# KiCad board misrc_v2.5-rounded.kicad_pcb (continued)
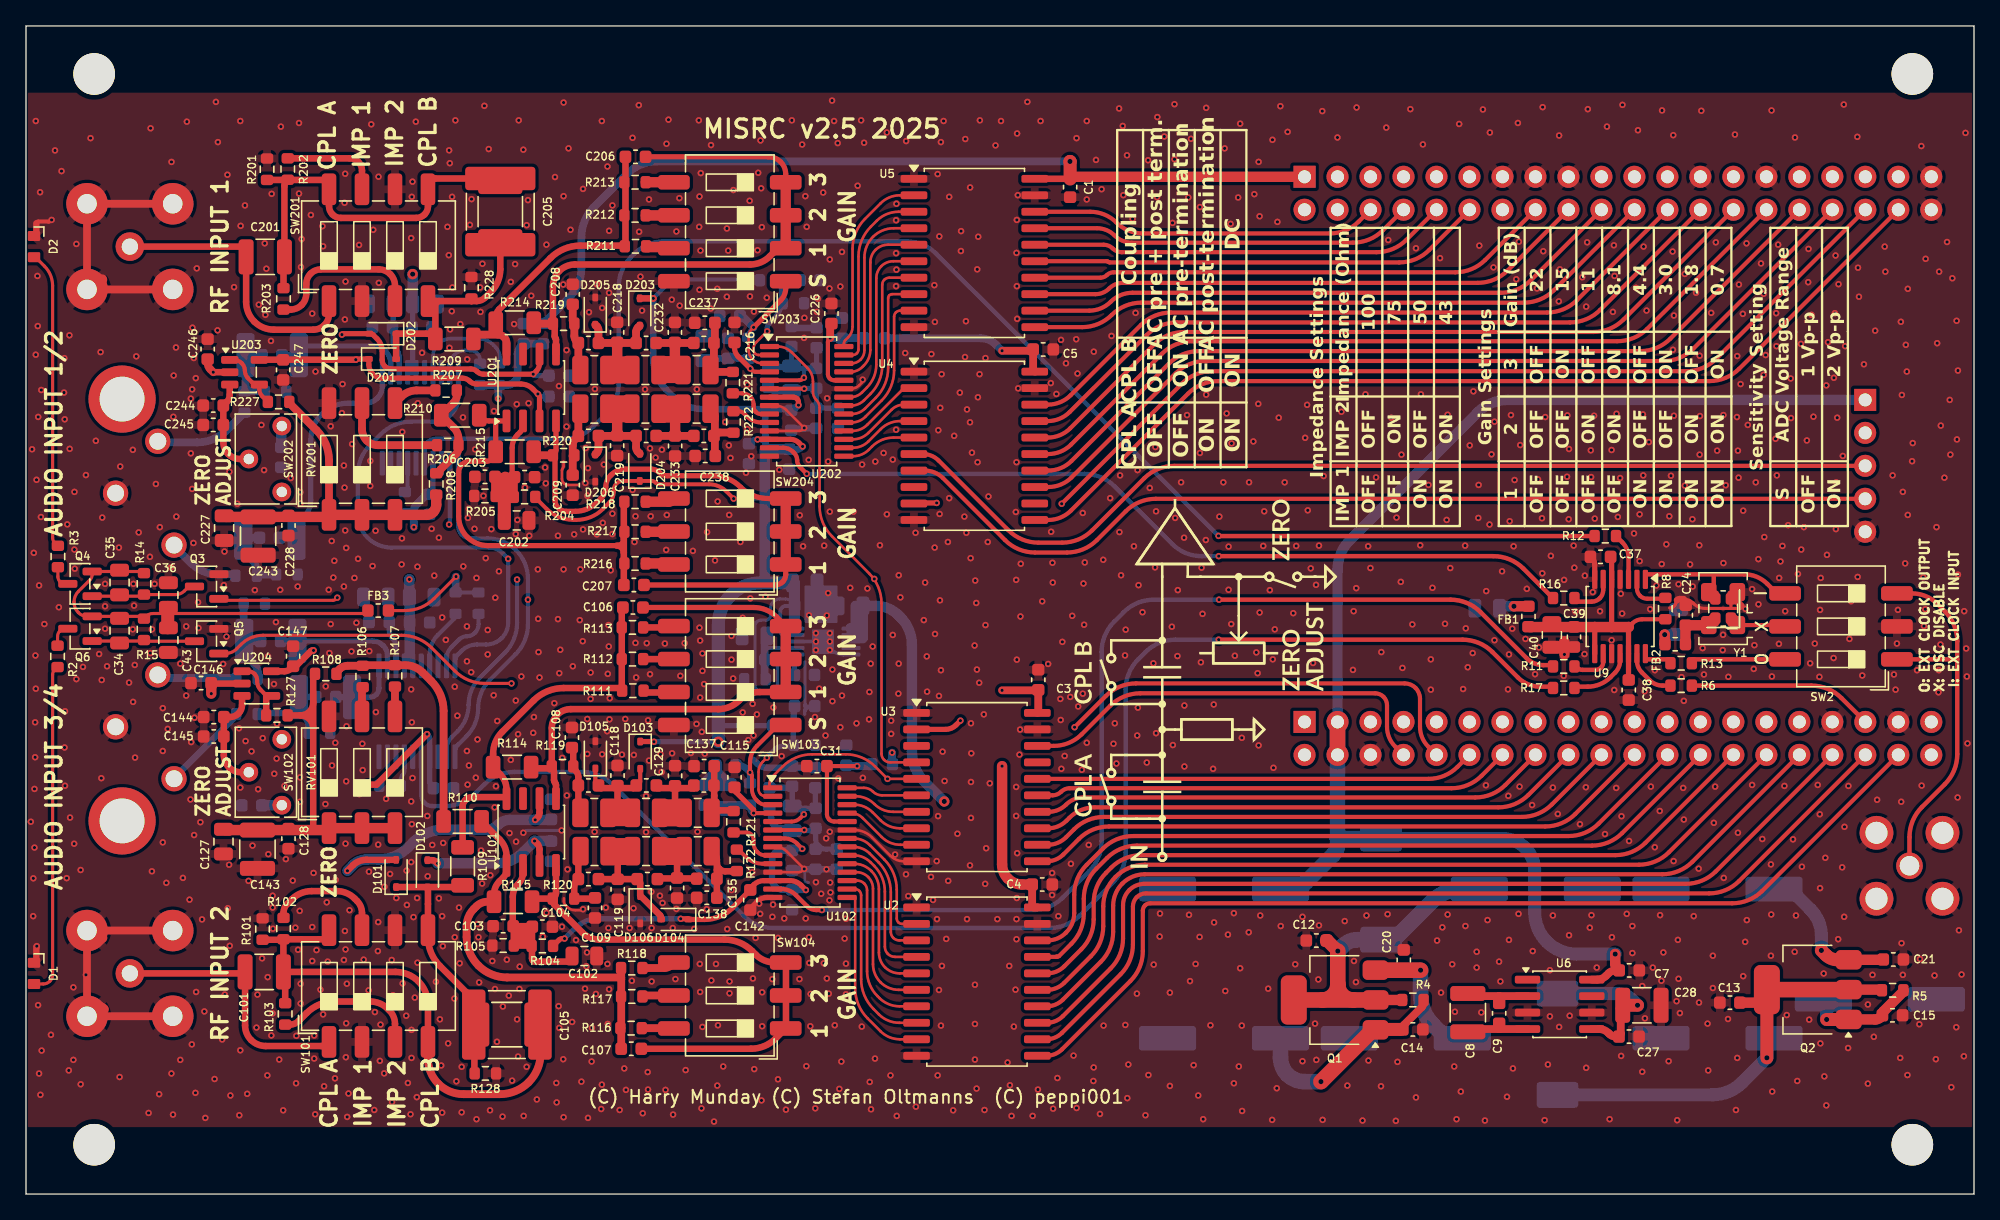
[diagram p0: board, top side]
## Routing (per net, layer and track width the routed paths; a pad name or vN(x,y) marks a point on that pad's centre or on a via; arc(x,y) is an arc through that point) (continued)
Net-(Q6-D): length 1.9
  Top w0.24: R2.1 2.43,42.95 arc(2.48,43.19) 2.61,43.38 2.63,43.41 arc(2.8,43.52) 3,43.56 2.74,43.56
Net-(R102-Pad1): length 8.7
  Top w0.5: 25.87,21.11 25.87,21.66 arc(25.77,22.16) 25.49,22.59 25.3,22.77 arc(24.67,23.19) 23.93,23.34 22,23.34 arc(21.17,23.18) 20.47,22.71 20.11,22.35 arc(19.9,22.04) 19.83,21.68 R102.1
Net-(R103-Pad1): length 10.6
  Top w0.5: R103.1 20.34,13.06 arc(20.69,13.13) 20.99,13.32 21.61,13.94 arc(22.59,14.6) 23.76,14.83 26.51,14.83 arc(27.24,14.69) 27.86,14.28 27.98,14.15 arc(28.3,13.67) 28.41,13.11 28.41,12.5
Net-(R106-Pad1): length 19
  Top w0.6: 23.9,40.21 24.15,40.45 arc(24.43,40.64) 24.75,40.7 25.9,40.7 arc(25.92,40.71) 25.95,40.72 arc(25.97,40.74) 26,40.75 R107.1 29.2,40.75 arc(29.93,40.6) 30.54,40.19 31.2,39.53 arc(31.91,38.47) 32.16,37.22 R110.1
Net-(R106-Pad2): length 2.3
  Top w0.6: R106.2 25.9,39.03 arc(25.88,39) 25.87,38.96 SW102.5
Net-(R107-Pad2): length 2.3
  Top w0.6: R107.2 28.41,36.81 SW102.4
Net-(R111-Pad2): length 2.4
  Top w0.5: SW103.7 49.87,38.66 arc(49.85,38.65) 49.83,38.64 47.53,38.64
Net-(R112-Pad2): length 2.4
  Top w0.5: R112.2 49.88,41.22 arc(49.88,41.22) 49.89,41.22 SW103.6
Net-(R113-Pad2): length 2.4
  Top w0.5: SW103.5 49.84,43.71 arc(49.78,43.67) 49.72,43.66 R113.2
Net-(R116-Pad2): length 2.5
  Top w0.6: R116.2 49.85,12.78 arc(49.87,12.78) 49.88,12.77 SW104.6
Net-(R117-Pad2): length 2.4
  Top w0.6: SW104.5 47.6,15.3 arc(47.55,15.29) 47.51,15.26 R117.2
Net-(R118-Pad2): length 2.6
  Top w0.6: SW104.4 49.68,17.63 arc(49.44,17.47) 49.16,17.41 R118.2
Net-(R202-Pad1): length 7.7
  Top w0.5: 25.87,77.41 25.87,78.86 arc(25.8,79.22) 25.6,79.52 arc(25.29,79.73) 24.93,79.8 R202.1
Net-(R203-Pad1): length 12.6
  Top w0.5: 19.83,68.15 20.37,68.15 arc(20.83,68.24) 21.23,68.5 arc(21.49,68.9) 21.58,69.36 21.58,70.12 arc(21.67,70.55) 21.91,70.92 arc(22.28,71.16) 22.71,71.25 27.16,71.25 arc(27.64,71.15) 28.05,70.88 arc(28.32,70.47) 28.41,69.99 SW201.3
Net-(R206-Pad1): length 7.9
  Top w0.6: R207.1 33.17,61.56 arc(33.11,61.23) 32.92,60.95 R210.1 32.95,59.03 arc(33.21,58.65) 33.3,58.19 33.3,57.45 arc(33.26,57.23) 33.13,57.04 31.92,55.82 arc(31.86,55.74) 31.84,55.64 31.84,55.54
Net-(R206-Pad2): length 8.5
  Top w0.6: R206.2 27.11,57.7 arc(26.64,57.79) 26.24,58.06 arc(25.97,58.46) 25.87,58.93 SW202.5
Net-(R207-Pad2): length 3.4
  Top w0.6: 31.53,61.92 30.09,61.92 arc(29.45,61.79) 28.9,61.43 SW202.4
Net-(R211-Pad2): length 2.2
  Top w0.8: 47.73,72.96 49.74,72.96 arc(49.8,72.95) 49.85,72.92 SW203.7
Net-(R212-Pad2): length 2.2
  Top w0.8: R212.2 49.87,75.41 arc(49.88,75.41) 49.89,75.41 49.89,75.42
Net-(R213-Pad2): length 2.2
  Top w0.8: R213.2 49.88,77.96 arc(49.89,77.96) 49.89,77.96 SW203.5
Net-(R216-Pad2): length 2.2
  Top w0.8: SW204.6 49.85,48.55 arc(49.81,48.58) 49.76,48.58 R216.2
Net-(R217-Pad2): length 2.2
  Top w0.8: SW204.5 49.88,51.04 arc(49.87,51.03) 49.85,51.03 R217.2
Net-(R218-Pad2): length 2.2
  Top w0.8: SW204.4 49.77,53.47 arc(49.63,53.38) 49.47,53.34 R218.2
Net-(U6-CAP+): length 5.2
  Top w0.6: 113.43,15.25 111.36,15.25 arc(111.23,15.28) 111.12,15.35 C8.1 ; 113.43,15.25 113.44,15.25 ; 113.43,15.25 arc(113.43,15.25) 113.44,15.25 ; 113.44,15.25 U6.2 ; 113.44,15.25 arc(113.43,15.25) 113.44,15.25 ; C9.1 113.44,15.25 arc(113.44,15.25) 113.44,15.25
Net-(U6-CAP-): length 5.1
  Top w0.6: C9.2 113.44,12.72 arc(113.44,12.71) 113.44,12.71 ; 113.43,12.71 111.38,12.71 arc(111.24,12.68) 111.13,12.61 C8.2 ; 113.43,12.71 113.44,12.71 ; 113.43,12.71 arc(113.43,12.71) 113.44,12.71 ; 113.44,12.71 U6.4 ; 113.44,12.71 arc(113.43,12.71) 113.44,12.71
Net-(U6-VOUT): length 13.4
  Top w0.6: 122.8,14.28 122.8,12.37 arc(122.78,12.28) 122.73,12.2 arc(122.65,12.15) 122.56,12.13 122.39,12.13 arc(122.15,12.18) 121.94,12.32 121.84,12.42 arc(121.52,12.64) 121.14,12.71 U6.5
  Top w0.8: 123.03,14.54 122.99,14.54 arc(122.95,14.54) 122.92,14.52 ; 122.87,13.65 122.87,14.41 arc(122.88,14.46) 122.91,14.5 122.92,14.52 ; 122.92,14.52 122.87,14.47 arc(122.82,14.38) 122.8,14.28
  Top w1: v2(124.09,14.54) 122.99,14.54 arc(122.95,14.54) 122.92,14.52
  Bottom w1: L2.1 122.56,15.44 arc(123.14,15.33) 123.64,14.99 v2(124.09,14.54)
Net-(U7-SET): length 5
  Bottom w0.28: U7.7 57.21,42.07
  Bottom w0.6: 56.88,43 56.88,41.45 ; 56.88,41.07 56.88,39.59
Net-(U9-1G): length 3.4
  Top w0.32: U9.2 124.05,46.65 arc(124.11,46.35) 124.27,46.1 arc(124.53,45.93) 124.83,45.87 125.91,45.87 arc(126.02,45.89) 126.11,45.95 126.18,46.02 arc(126.19,46.03) 126.21,46.03 126.23,46.03
Net-(U9-Y0): length 3.7
  Top w0.338: R12.1 122.91,50.22 arc(123.27,49.68) 123.4,49.06 U9.3
Net-(U9-Y1): length 2.3
  Top w0.338: 126.62,41.2 124.8,41.2 arc(124.76,41.21) 124.73,41.23 arc(124.7,41.26) 124.7,41.31 U9.14
Net-(U9-Y2): length 5
  Top w0.338: 119.23,39.09 120.26,39.09 arc(121.2,39.28) 122.01,39.82 122.36,40.18 arc(122.65,40.6) 122.75,41.1 U9.11
Net-(U9-Y3): length 4.1
  Top w0.338: 126.62,39.17 126.03,39.17 arc(125.48,39.28) 125.02,39.59 124.42,40.19 arc(124.14,40.61) 124.05,41.1 U9.13
Net-(U9-Y4): length 3.5
  Top w0.338: U9.6 121.45,46.54 arc(121.38,46.19) 121.18,45.9 arc(120.89,45.71) 120.55,45.64 119.32,45.64
Net-(U9-Y5): length 3.3
  Top w0.338: 119.23,40.75 119.42,40.57 arc(119.62,40.43) 119.86,40.39 120.86,40.39 arc(121.08,40.43) 121.27,40.56 arc(121.4,40.75) 121.45,40.97 U9.9
Net-(U101-+): length 29.5
  Top w0.5: 45.88,43.66 45.88,45.05 arc(45.89,45.1) 45.92,45.15 C106.1 ; 45.88,43.66 45.88,43.66 ; 45.88,43.66 45.88,43.66 ; 33.62,26.59 33.62,29.84 arc(33.68,30.12) 33.84,30.36 arc(34.08,30.52) 34.36,30.58 36.81,30.58 arc(36.88,30.57) 36.95,30.52 arc(36.98,30.52) 37,30.55 37,31.16 arc(36.87,31.81) 36.51,32.35 R114.1 35.97,33.9 arc(36.15,34.83) 36.68,35.62 39.09,38.03 arc(40.15,38.74) 41.4,38.99 45.88,38.99 45.88,41.23 ; 45.88,41.27 45.88,41.23 ; 45.88,41.27 45.88,41.23 ; 45.88,41.27 45.88,43.66 ; 45.88,41.23 R112.1 ; 45.88,43.66 R113.1
Net-(U101--): length 31.2
  Top w0.5: R110.2 36.48,27.31 arc(36.87,26.73) 37,26.05 37,24.98 arc(36.94,24.66) 36.76,24.4 36.45,24.08 arc(36.15,23.63) 36.04,23.1 36.04,23.02 arc(35.89,22.67) 35.54,22.52
  Top w0.6: 45.83,16.66 45.83,16.56 ; 45.83,16.66 45.83,17.39 arc(45.83,17.4) 45.83,17.41 45.82,17.41 arc(45.82,17.41) 45.82,17.42 ; 45.83,16.66 arc(45.82,16.64) 45.8,16.65 ; 45.83,16.56 45.83,15.22 ; 45.83,16.56 arc(45.82,16.61) 45.8,16.65 ; 45.82,12.8 45.82,12.79 arc(45.81,12.79) 45.79,12.78 R116.1 ; 45.82,12.8 arc(45.83,12.81) 45.83,12.83 ; 45.82,12.8 arc(45.83,12.8) 45.83,12.79 ; 45.83,15.22 45.83,15.22 ; 45.83,15.22 arc(45.83,15.22) 45.83,15.22 ; 45.83,12.83 45.83,12.79 ; 45.83,12.83 45.83,15.22 ; 45.83,12.79 C107.1 ; 45.83,15.22 arc(45.83,15.22) 45.83,15.22 ; R117.1 45.83,15.22 arc(45.83,15.22) 45.83,15.22 ; 35.54,22.52 arc(35.08,22.43) 34.69,22.17 34.48,21.97 arc(34.07,21.35) 33.93,20.63 33.93,19.81 arc(34.17,18.61) 34.84,17.6 arc(35.86,16.92) 37.05,16.69 45.7,16.69 arc(45.75,16.68) 45.8,16.65
Net-(U101-VCM): length 16.3
  Top w0.5: 37.53,20.62 37.5,20.66 ; 37.53,20.62 37.54,20.62 arc(37.56,20.59) 37.57,20.56 R105.2 38.91,19.15 arc(38.93,19.14) 38.95,19.13 ; 37.53,20.62 arc(37.53,20.64) 37.54,20.64 ; 37.5,20.66 arc(37.49,20.67) 37.48,20.7 37.48,22.91 arc(37.59,23.43) 37.88,23.86 37.9,23.88 arc(38.17,24.3) 38.27,24.79 U101.2 ; 37.5,20.66 arc(37.52,20.65) 37.53,20.66 ; 37.54,20.64 38.96,20.64 arc(38.98,20.64) 39,20.66 38.99,20.65 arc(38.97,20.62) 38.96,20.59 38.96,19.14 ; 37.54,20.64 arc(37.53,20.65) 37.53,20.66 ; 38.96,19.1 38.96,18.15 arc(38.98,18.06) 39.04,17.98 arc(39.12,17.93) 39.21,17.91 41.84,17.91 arc(41.98,17.94) 42.1,18.02 42.21,18.13 ; 38.96,19.1 38.96,19.14 ; 38.96,19.1 arc(38.96,19.12) 38.95,19.13 ; 38.96,19.14 arc(38.96,19.13) 38.95,19.13 ; 37.53,20.66 37.61,20.74
  Top w1: 38.3,19.5 38.3,20.3
Net-(U102-DRVDD): length 9.7
  Top w0.32: 62.97,28.7 62.24,28.7 arc(62.02,28.74) 61.84,28.87 arc(61.72,29.05) 61.67,29.27 61.67,32.97 v1(64,32.97)
  Bottom w0.4: v1(64,32.97) 64.03,33
  Bottom w0.6: FB101.2 65.07,33.05 arc(64.99,32.99) 64.9,32.97 v1(64,32.97) 63.26,32.97 arc(63.22,32.98) 63.19,33 C126.1
Net-(U102-IN): length 3.9
  Top w0.3: 57.25,26.1 56.91,26.1 arc(56.6,26.16) 56.33,26.34 56.3,26.37 arc(56.1,26.67) 56.03,27.03 56.03,27.3 arc(55.98,27.52) 55.86,27.7 arc(55.68,27.82) 55.47,27.86 R121.2
Net-(U102-MODE): length 9.4
  Top w0.2: 56.9,33.47 v1(57.05,33.62) 56.73,33.3 arc(56.49,32.95) 56.41,32.53 56.41,31.18 arc(56.45,30.98) 56.56,30.81 arc(56.74,30.69) 56.94,30.65 57.25,30.65
  Bottom w0.4: 59.08,36.08 59.08,34.51 arc(59.07,34.51) 59.07,34.5 arc(59.07,34.5) 59.06,34.5 58.24,34.5 arc(57.95,34.44) 57.7,34.28 v1(57.05,33.62)
  Bottom w0.5: 59.12,36.13 59.12,37.48 arc(59.13,37.53) 59.15,37.56 C140.1
Net-(U102-REFB): length 10.3
  Top w0.3: v1(59.9,29.25) 59.62,28.97 arc(59.32,28.77) 58.96,28.7 57.25,28.7
  Bottom w0.4: 59,31.43 59,30.02 arc(59.02,29.91) 59.09,29.81 arc(59.18,29.75) 59.3,29.72 59.63,29.72 ; 59.84,29.52 59.84,29.36 arc(59.84,29.32) 59.87,29.28 v1(59.9,29.25) ; 59.84,29.52 arc(59.78,29.66) 59.63,29.72 ; 59.84,29.52 arc(59.9,29.66) 60.04,29.72 ; C114.2 60.78,29.77 arc(60.78,29.75) 60.79,29.74 arc(60.79,29.73) 60.78,29.72 60.04,29.72 ; 60.04,29.72 59.63,29.72
  Bottom w0.5: 57.38,31.3 59,31.3
Net-(U102-REFT): length 10.3
  Top w0.3: v1(59.92,28.05) 57.25,28.05
  Bottom w0.2: 59.12,28.05 59.06,28.11 arc(58.99,28.16) 58.91,28.17
  Bottom w0.4: C136.1 60.5,28 arc(60.62,28.02) 60.71,28.09 arc(60.77,28.1) 60.8,28.05 60.8,27.38 arc(61.03,26.81) 61.6,26.58 C111.2
  Bottom w0.5: 57.38,29.75 57.38,28.94 arc(57.43,28.65) 57.6,28.4 arc(57.85,28.23) 58.14,28.17 58.91,28.17
Net-(U102-SENSE): length 10.9
  Top w0.2: 58.05,36.14 57.7,35.79 ; 58.28,36.14 58.06,36.14 arc(58.06,36.14) 58.06,36.14 58.06,36.14
  Top w0.3: 57.25,30 56.93,30 arc(56.63,30.06) 56.38,30.23 56.25,30.35 arc(55.99,30.75) 55.9,31.21 55.9,32.23 arc(55.88,32.33) 55.82,32.41 v1(55.75,32.49)
  Top w0.32: 58.28,36.14 58.2,36.14 arc(57.92,36.09) 57.69,35.93 56.28,34.52 arc(55.89,33.93) 55.75,33.24 v1(55.75,32.49)
  Bottom w0.5: 55.75,31.75 v1(55.75,32.49) 55.4,32.84 arc(55.19,32.98) 54.93,33.03 C139.1
Net-(U102-VREF): length 8.2
  Top w0.32: v1(56.03,29.35) 57.25,29.35
  Top w0.4: C115.1 54.56,31.2 arc(54.58,31.08) 54.65,30.98 56.03,29.6 v1(56.03,29.35)
  Bottom w0.5: v1(56.03,29.35) 55.89,29.49 arc(55.79,29.64) 55.75,29.82 55.75,30.1
  Bottom w0.6: R123.1 55.74,29.99 arc(55.72,29.98) 55.71,29.97 C116.1
Net-(U102-~{IN}): length 3.1
  Top w0.3: U102.10 56.72,25.45 arc(56.01,25.59) 55.41,25.99 54.91,26.49 arc(54.86,26.52) 54.8,26.54 R122.2
Net-(U201-+): length 24
  Top w0.5: 46.13,75.43 46.11,75.41 arc(46.1,75.41) 46.09,75.41 R212.1 ; 46.13,75.43 arc(46.15,75.44) 46.16,75.42 ; 46.13,75.43 arc(46.15,75.47) 46.16,75.5 ; R213.1 46.09,77.96 arc(46.1,77.96) 46.11,77.95 46.13,77.93 ; 46.16,75.5 46.16,77.86 ; 46.16,75.5 46.16,75.42 ; 46.16,77.86 46.16,77.94 ; 46.16,77.86 arc(46.15,77.9) 46.13,77.93 ; 46.16,77.94 C206.1 ; 46.16,77.94 arc(46.15,77.93) 46.13,77.93 ; 46.16,75.42 46.16,73.11 arc(46.15,73.05) 46.12,73 46.09,72.97 arc(46.08,72.96) 46.08,72.95 arc(46.07,72.94) 46.06,72.94 46,73 arc(45.92,73.06) 45.83,73.08 42.7,73.08 arc(41.45,72.83) 40.39,72.12 36.44,68.17 arc(36.24,67.87) 36.17,67.52 36.17,67.14 arc(36.17,67.14) 36.17,67.13 R214.1
  Top w0.6: R209.2 34.45,65.95 arc(34.46,66.02) 34.5,66.08 34.54,66.12 arc(34.65,66.19) 34.77,66.22 36.35,66.22 arc(36.6,66.17) 36.81,66.03 arc(36.95,65.82) 37,65.57 U201.8
Net-(U201--): length 33.7
  Top w0.4: 36.25,59.57 U201.1 ; 36.25,59.57 36.18,59.57 ; 36.25,59.57 arc(36.22,59.56) 36.19,59.54 ; 36.18,59.57 35.65,59.57 arc(35.37,59.63) 35.12,59.79 R210.2 ; 36.18,59.57 arc(36.19,59.56) 36.19,59.54 ; 36.19,59.54 arc(36.17,59.52) 36.17,59.49 36.17,57.03 arc(36.14,56.89) 36.06,56.76 35.96,56.67 arc(35.73,56.52) 35.47,56.46 34.19,56.46 arc(33.85,56.4) 33.57,56.21 arc(33.38,55.93) 33.32,55.6 33.32,52.22 arc(33.49,51.35) 33.98,50.62 arc(34.71,50.13) 35.57,49.96 45.5,49.96 arc(45.88,50.12) 46.03,50.49
  Top w0.5: 46.03,49.43 46.03,51.01 ; 46.03,49.43 46.03,48.52 ; 46.03,49.43 arc(45.88,49.8) 45.5,49.96 ; R216.1 46.08,48.56 arc(46.07,48.53) 46.06,48.51 46.05,48.51 ; 46.06,51.03 R217.1 ; 46.06,51.03 arc(46.04,51.03) 46.03,51.05 ; 46.06,51.03 arc(46.04,51.02) 46.03,51.01 ; 46.05,48.51 arc(46.04,48.51) 46.03,48.52 ; 46.05,48.51 arc(46.04,48.49) 46.03,48.46 ; R218.1 46.06,53.32 arc(46.04,53.3) 46.03,53.27 46.03,51.05 ; 46.03,48.46 C207.1 ; 46.03,48.46 46.03,48.52 ; 46.03,51.01 46.03,51.05
Net-(U201-VCM): length 14.4
  Top w0.4: U201.2 38.27,59.25 arc(38.21,58.95) 38.05,58.7 37.85,58.51 arc(37.54,58.04) 37.43,57.5 37.43,55.55 arc(37.46,55.43) 37.53,55.33 37.61,55.25 ; 37.61,55.25 37.48,55.37 ; 37.61,55.25 arc(37.61,55.23) 37.61,55.22
  Top w0.6: 37.25,55.26 C203.1 36.12,53.87 arc(36.12,53.84) 36.14,53.81 arc(36.17,53.79) 36.2,53.79 37.44,53.79 arc(37.49,53.78) 37.53,53.75 arc(37.55,53.75) 37.57,53.77 37.57,55.14 arc(37.57,55.18) 37.59,55.21 37.61,55.22 arc(37.61,55.23) 37.61,55.25 arc(37.59,55.26) 37.57,55.26 37.25,55.26 ; 37.25,55.26 arc(37.09,55.23) 36.95,55.14
  Top w0.8: 36.9,55.26 arc(36.97,55.22) 36.95,55.14 arc(36.86,55) 36.83,54.84
  Top w1: 36.83,54.84 36.83,51.96
Net-(U202-DRVDD): length 8.1
  Top w0.32: U202.24 62.22,62.7 arc(62.04,62.74) 61.89,62.84 arc(61.79,62.99) 61.75,63.17 61.75,65.65 arc(61.77,65.77) 61.84,65.86 v1(61.92,65.95)
  Top w0.6: v1(61.92,65.95) 61.92,66.89 arc(61.94,66.95) 61.97,67 62.02,67.05
  Bottom w0.6: v1(61.92,65.95) 64.51,65.95 arc(64.52,65.95) 64.53,65.94 FB201.2
Net-(U202-IN): length 3.9
  Top w0.32: U202.9 56.58,60.1 arc(56.37,60.14) 56.19,60.26 arc(56.07,60.44) 56.03,60.66 56.03,60.83 arc(55.96,61.16) 55.77,61.44 arc(55.49,61.63) 55.16,61.69 54.38,61.69
Net-(U202-MODE): length 9
  Top w0.2: v1(57.08,66.47) 56.22,65.62 arc(56.08,65.4) 56.03,65.15 56.03,65.03 arc(56.05,64.89) 56.14,64.76 arc(56.26,64.68) 56.41,64.65 U202.2
  Bottom w0.4: v1(57.08,66.47) 57.08,66.7 arc(57.12,66.91) 57.23,67.08 57.62,67.47 arc(58.02,68.07) 58.16,68.78 58.16,70.4
  Bottom w0.5: C240.1 58.17,70.41 arc(58.17,70.41) 58.16,70.41 arc(58.16,70.41) 58.16,70.4
Net-(U202-REFB): length 10.3
  Top w0.3: U202.5 59.56,62.7 arc(59.69,62.73) 59.8,62.8 v1(59.9,62.9)
  Bottom w0.3: v1(59.9,62.9) 59.9,63.61
  Bottom w0.4: 58.95,65.17 58.95,63.62 ; C214.2 60.88,63.67 arc(60.87,63.65) 60.86,63.64 arc(60.85,63.63) 60.83,63.62 59.25,63.62 arc(59.13,63.65) 59.04,63.71 58.98,63.77 arc(58.95,63.78) 58.92,63.77
  Bottom w0.5: C220.2 58.83,63.73 arc(58.88,63.74) 58.92,63.77
Net-(U202-REFT): length 9.2
  Top w0.3: v1(59.92,62.05) U202.6
  Bottom w0.4: C211.2 61.61,60.55 arc(61.07,60.77) 60.85,61.31 60.85,61.62 arc(60.72,61.94) 60.4,62.08 59.97,62.08 arc(59.95,62.07) 59.94,62.06 v1(59.92,62.05) 59.91,62.06 arc(59.9,62.07) 59.88,62.08 58.95,62.08
  Bottom w0.5: C236.1 57.62,61.9 arc(57.44,61.94) 57.29,62.04 C220.1
Net-(U202-SENSE): length 11.1
  Top w0.2: v1(56.03,66.78) 56.03,66.7 ; v1(56.03,66.78) 55.95,66.78 ; v1(56.03,66.78) 55.84,66.59 arc(55.69,66.37) 55.64,66.13 55.64,65.05 arc(55.73,64.65) 55.95,64.31 arc(56.3,64.08) 56.7,64 U202.3
  Top w0.4: SW203.1 58.5,69.79 arc(58.4,69.29) 58.12,68.87 v1(56.03,66.78)
  Bottom w0.32: v1(56.03,66.78) 55.76,66.51 arc(55.66,66.36) 55.62,66.18 R223.2
  Bottom w0.6: C239.1 55.07,67.65 arc(55.14,67.63) 55.21,67.59 v1(56.03,66.78)
Net-(U202-VREF): length 8.3
  Top w0.32: U202.4 56.2,63.35 arc(56.04,63.38) 55.9,63.48 v1(55.77,63.6)
  Top w0.4: v1(55.77,63.6) 54.84,64.54 arc(54.63,64.85) 54.56,65.22 C216.1
  Bottom w0.32: 55.62,64.31 55.62,63.86 arc(55.64,63.76) 55.7,63.68 v1(55.77,63.6)
  Bottom w0.5: C231.1 52.36,64.29 arc(52.46,64.36) 52.57,64.38 55.55,64.38 arc(55.58,64.38) 55.6,64.36 arc(55.62,64.34) 55.62,64.31
Net-(U202-~{IN}): length 3
  Top w0.32: U202.10 56.6,59.45 arc(56.03,59.56) 55.55,59.89 55.33,60.11 arc(55.09,60.27) 54.81,60.33 54.5,60.33
Net-(U203-+): length 7.3
  Top w0.5: U203.3 15.69,61.6 arc(15.63,61.28) 15.44,61 arc(15.26,60.73) 15.2,60.41 C245.1 15.2,57.92 arc(15.29,57.43) 15.57,57.01 arc(15.99,56.73) 16.49,56.64 RV201.2
Net-(U203--): length 4.8
  Top w0.32: R227.2 18.21,61.46 arc(18.03,61.72) 17.97,62.03 17.97,62.18 arc(17.91,62.32) 17.77,62.37 arc(17.6,62.41) 17.44,62.51 17.1,62.86 arc(16.92,63.12) 16.86,63.43 arc(16.8,63.74) 16.62,64 16.59,64.04 arc(16.33,64.21) 16.02,64.27 U203.1
Net-(U204-+): length 8.2
  Top w0.5: U204.3 16.64,37.67 arc(16.57,37.32) 16.37,37.02 arc(16.07,36.82) 15.72,36.75 C144.1 15.23,33.82 arc(15.33,33.31) 15.62,32.89 arc(16.05,32.6) 16.55,32.5 RV101.2
Net-(U204--): length 4.9
  Top w0.32: 18.75,38.38 18.72,38.38 arc(18.55,38.42) 18.4,38.52 18.07,38.85 arc(17.87,39.14) 17.8,39.5 17.8,39.59 arc(17.75,39.86) 17.6,40.08 arc(17.37,40.23) 17.11,40.28 U204.1
  Top w0.5: R127.2 18.5,38.23 arc(18.51,38.29) 18.54,38.34 arc(18.6,38.37) 18.66,38.38 18.75,38.38
Net-(U301-FMT0): length 2.3
  Bottom w0.32: R305.2 29.28,54.19 arc(29.36,54.31) 29.39,54.45 29.39,56.31
Net-(U301-FSYNC): length 4.2
  Bottom w0.28: U301.9 32.64,63.84 arc(32.73,64.28) 32.98,64.66 arc(33.36,64.91) 33.8,65 34.19,65 arc(34.49,64.94) 34.74,64.77 34.77,64.74 arc(34.92,64.52) 34.97,64.26 R308.2
Net-(U301-PDWN_N): length 8.4
  Bottom w0.28: 31.34,63.32 31.34,64.53 arc(31.44,65.06) 31.74,65.51 arc(32.19,65.81) 32.72,65.91 34.8,65.91 arc(35.45,65.78) 36,65.42 36.17,65.25 arc(36.41,64.89) 36.49,64.46 36.49,63.99
Net-(U301-VINL): length 18.1
  Bottom w0.4: 20.83,50.56 20.83,51.08 arc(20.93,51.56) 21.2,51.97 21.38,52.15 arc(21.78,52.75) 21.93,53.46 21.93,58.05 arc(22.15,59.15) 22.77,60.09 arc(23.71,60.71) 24.81,60.93 26.12,60.93 arc(26.62,61.03) 27.05,61.32 arc(27.34,61.75) 27.44,62.26 U301.1
  Bottom w0.6: C304.2 20.82,50.57 arc(20.83,50.57) 20.83,50.56 arc(20.83,50.56) 20.83,50.56
Net-(U301-VINR): length 11.7
  Bottom w0.4: U301.2 28.09,63.96 arc(27.98,64.49) 27.68,64.95 arc(27.23,65.25) 26.7,65.35 21.55,65.35 arc(21.35,65.31) 21.17,65.2
  Bottom w0.5: 21.01,64.64 21.01,64.84 arc(21.05,65.02) 21.15,65.18 21.17,65.2 ; 21.01,64.64 C303.2 ; 21.01,64.64 C302.2 ; 21.01,64.64 arc(21.01,64.63) C302.2 ; C302.2 21.01,63.78 arc(21.05,63.6) 21.15,63.45 21.28,63.32
Net-(U301-VREF1): length 5.5
  Bottom w0.4: 28.27,66.76 C301.1 ; 28.27,66.76 28.27,66.69 ; 28.27,66.76 arc(28.26,66.75) 28.25,66.75 ; 28.27,66.69 28.27,65.65 arc(28.33,65.35) 28.5,65.09 arc(28.68,64.83) 28.74,64.52 28.74,63.32 ; 28.27,66.69 arc(28.26,66.72) 28.25,66.75 ; C306.1 28.25,66.75
Net-(U401-FMT0): length 2.2
  Bottom w0.32: 28.87,31.53 28.87,31.96 arc(28.9,32.13) 29,32.28 arc(29.1,32.43) 29.13,32.61 29.13,33.69
Net-(U401-FSYNC): length 5.3
  Bottom w0.32: R408.2 34.85,43.9 arc(34.78,43.55) 34.58,43.25 34.56,43.23 arc(34.28,43.04) 33.95,42.98 arc(33.62,42.91) 33.35,42.72 32.76,42.14 arc(32.48,41.72) 32.38,41.23 U401.9
Net-(U401-PDWN_N): length 4.7
  Bottom w0.32: R406.2 33.08,44.57 arc(33.05,44.45) 32.98,44.34 31.7,43.06 arc(31.24,42.38) 31.08,41.57 31.08,40.7
Net-(U401-VINL): length 5.4
  Bottom w0.4: 24.49,38.29 26.49,38.29 arc(26.75,38.34) 26.98,38.49 arc(27.13,38.72) 27.18,38.99 U401.1
  Bottom w0.5: 24.49,38.29 23.87,38.29
Net-(U401-VINR): length 9.6
  Bottom w0.4: U401.2 27.83,41.45 arc(27.75,41.9) 27.49,42.27 arc(27.12,42.53) 26.67,42.61 20.92,42.61 arc(20.91,42.61) 20.9,42.61
  Bottom w0.5: C403.2 20.88,42.6 arc(20.89,42.6) 20.9,42.61
Net-(U401-VREF1): length 5.5
  Bottom w0.4: 28.48,40.7 28.48,42.19 arc(28.42,42.52) 28.23,42.81 arc(28.03,43.1) 27.97,43.43 27.97,45.87 arc(27.96,45.92) 27.93,45.96 C401.1
unconnected-(U3-A1-Pad3): length 0
  Top w0.4: 68.2,34.5 68.17,34.53
unconnected-(U4-A6-Pad8): length 0
  Top w0.4: 68.2,54.45 68.17,54.47

## Copper pours and planes (outline as drawn; the poured copper is in the pictures)
GND on Top: 0.15,84.86 149.85,84.86 149.85,5.16 0.15,5.16
GND on Bottom: 0.15,84.86 149.85,84.86 149.85,5.16 0.15,5.16
GND on In1.Cu: 0.15,84.86 149.85,84.86 149.85,5.16 0.15,5.16
GND on In2.Cu: 0.15,84.86 149.85,84.86 149.85,5.16 0.15,5.16

## Text on the board
B.Silkscreen: +5V | 1 | 2 | GND | +3.3V | AUX | CLOCK | MISRC v2.5
F.Silkscreen: EXT CLOCK OUTPUT / OSC DISABLE / EXT CLOCK INPUT | O: / X: / I: | I | X | O | (C) Harry Munday (C) Stefan Oltmanns  (C) peppi001 | ZERO / ADJUST | ZERO | S | 3 | 2 | 1 | 1  2  3 | AUDIO INPUT 1/2 | CPL A | IMP 1 | IMP 2 | CPL B | GAIN | RF INPUT 1 | RF INPUT 2 | AUDIO INPUT 3/4 | MISRC v2.5 2025
